# Altium PCB Pleiades_PP.PcbDoc (part 9 of 15)
Units mil, origin at the board's own origin, x right, y up, seen from the top; angles counter-clockwise.
Board outline 12244.09 x 4515.28 mil, 12 copper layers (TOP, GND1, IN1, GND2, POW1, GND3, POW2, GND4, GND5, IN2, GND6, BOT), stack 63.546 mil thick; 1447 components, 738 nets, 4532 pads, 3316 vias.
Unrouted connection lines stored in the file: 499.
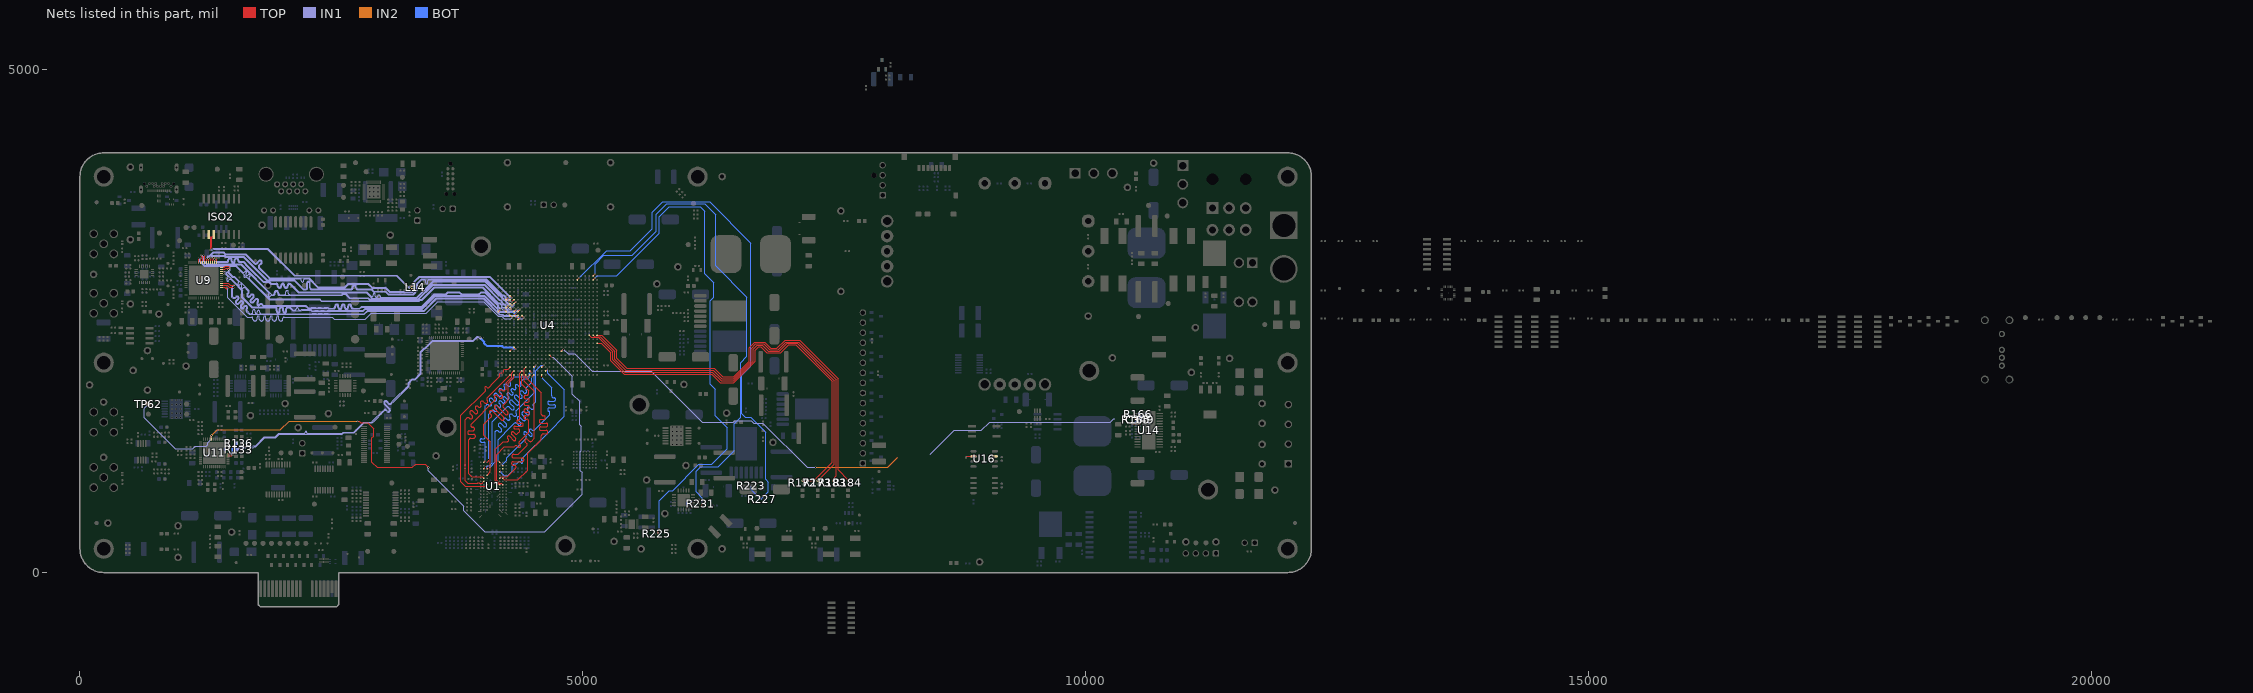
[diagram p19: the nets of this part, all layers, seen from the top]

## Via types
v1: diameter 12/18/18/18/18/18/18/18/18/18/18/12 (per signal layer), hole 6, TOP to BOT, 2739 vias
v2: diameter 20, hole 10, TOP to BOT, 363 vias
v3: diameter 19.68, hole 7.87, TOP to BOT, 110 vias
v4: diameter 40, hole 20, TOP to BOT, 36 vias
v5: diameter 25, hole 12, TOP to BOT, 32 vias
v6: diameter 22, hole 12, TOP to BOT, 27 vias
v7: diameter 19.68, hole 11.81, TOP to BOT, 9 vias

## Nets (pads, with @x,y where several pads share a name; then routed paths per layer and width w, separated by ;. In a path a pad name is that pad's centre, name@x,y a point inside that pad or via, vN(x,y) a via of type N, cw(c..) or ccw(c..) an arc to the next point about the centre after c; other vN are vias at no path point) (continued)
DA10_P: U4.D16 U9.53 | length 3631.8
  TOP w6: U9.53@1406.18,2836.1 1440.44,2836.1 1454.51,2822.04 1459.48,2822.04 1463.95,2826.52 1463.95,2835.73 v1(1462.84,2836.84)
  TOP w8.89: U4.D16@4275.59,2555.12 v1(4295.28,2535.43)
  IN1 w3.09: v1(1462.84,2836.84) 1471.29,2828.39 1471.29,2731 1662.34,2539.96 1669.74,2539.96 1708.02,2539.96 cw(c1708.02,2528.41) 1719.57,2528.41 1719.57,2520.6 ccw(c1740.21,2520.6) 1740.21,2499.96 ccw(c1740.21,2520.6) 1760.85,2520.6 1760.85,2539.17 cw(c1772.4,2539.17) 1772.4,2550.72 cw(c1772.4,2539.17) 1783.95,2539.17 1783.95,2520.6 ccw(c1804.59,2520.6) 1804.59,2499.96 ccw(c1804.59,2520.6) 1825.23,2520.6 1825.23,2539.17 cw(c1836.78,2539.17) 1836.78,2550.72 cw(c1836.78,2539.17) 1848.32,2539.17 1848.32,2520.6 ccw(c1868.97,2520.6) 1868.97,2499.96 ccw(c1868.97,2520.6) 1889.61,2520.6 1889.61,2539.17 cw(c1901.15,2539.17) 1901.15,2550.72 cw(c1901.15,2539.17) 1912.7,2539.17 1912.7,2520.6 ccw(c1933.34,2520.6) 1933.34,2499.96 ccw(c1933.34,2520.6) 1953.99,2520.6 1953.99,2539.17 cw(c1965.53,2539.17) 1965.53,2550.72 cw(c1965.53,2539.17) 1977.08,2539.17 1977.08,2520.6 ccw(c1997.72,2520.6) 1997.72,2499.96 ccw(c1997.72,2520.6) 2018.36,2520.6 2018.36,2528.41 cw(c2029.91,2528.41) 2029.91,2539.96 2185,2539.96 2307.18,2539.96 2311.37,2535.77 2336.24,2535.77 2340.43,2539.96 2367.82,2539.96 2372,2535.77 2397.5,2535.77 2401.69,2539.96 2430.34,2539.96 2434.53,2535.77 2464.1,2535.77 2468.29,2539.96 2506.02,2539.96 2525.98,2520 2835,2520 2895,2580 3445,2580 3558.57,2693.57 4012.91,2693.57 4160.39,2546.09 4194.14,2546.09 4218.43,2521.8 4281.64,2521.8 v1(4295.28,2535.43)
DA12_N: U4.F15 U9.54 | length 3652.6
  TOP w6: U9.54@1406.18,2855.79 1406.97,2855 1465.9,2855 1486.05,2834.85 1523.31,2834.85 1523.87,2834.29 1528.11,2834.29 v1(1529.26,2833.15)
  TOP w8.89: U4.F15@4354.33,2515.75 v1(4374.02,2535.43)
  IN1 w3.09: v1(1529.26,2833.15) 1526.81,2833.15 1519.67,2826.01 1519.67,2764.05 1519.67,2742.52 1524.6,2737.59 ccw(c1532.76,2745.76) 1540.92,2737.6 1546.45,2743.12 cw(c1561.04,2728.52) 1575.64,2743.12 cw(c1561.04,2728.52) 1575.64,2713.93 ; 1575.62,2713.91 1557.34,2695.63 ccw(c1565.5,2687.46) 1557.34,2679.3 ccw(c1565.5,2687.46) 1573.64,2679.27 1591.54,2697.17 cw(c1606.14,2682.58) 1620.73,2697.17 cw(c1606.14,2682.58) 1620.73,2667.98 1604.26,2651.5 ccw(c1612.42,2643.34) 1604.26,2635.17 ccw(c1612.42,2643.34) 1620.59,2635.17 1631.97,2646.55 cw(c1646.56,2631.96) 1661.16,2646.55 cw(c1646.56,2631.96) 1661.16,2617.36 ccw(c1669.32,2609.2) 1661.16,2601.03 1687.19,2575 1704.38,2575 1705.93,2575 ccw(c1705.93,2586.55) 1717.48,2586.55 1717.48,2603.45 cw(c1729.03,2603.45) 1729.03,2615 cw(c1729.03,2603.45) 1740.57,2603.45 1740.57,2586.55 ccw(c1752.12,2586.55) 1752.12,2575 ccw(c1752.12,2586.55) 1763.67,2586.55 1763.67,2594.77 cw(c1775.21,2594.77) 1775.21,2606.31 cw(c1775.21,2594.77) 1786.76,2594.77 1786.76,2586.55 ccw(c1798.31,2586.55) 1798.31,2575 1840,2575 2084.26,2575 2084.39,2574.86 2309.56,2574.86 2313.75,2579.05 2344.1,2579.05 2348.29,2574.86 2369.38,2574.86 2373.57,2579.05 2403.76,2579.05 2407.95,2574.86 2428.08,2574.86 2432.27,2579.05 2461.16,2579.05 2465.35,2574.86 2824.86,2574.86 2858.74,2608.74 3420.88,2608.74 3542.14,2730 4013.39,2730 4173.01,2570.38 4204.19,2570.38 4215.48,2559.09 4338.76,2559.09 4366.96,2530.89 4372.37,2530.89 4374.18,2532.71 4374.18,2535.27 v1(4374.02,2535.43)
DA12_P: U4.G16 U9.55 | length 3636.7
  TOP w6: U9.55@1406.18,2875.47 1474.38,2875.47 1494.53,2855.33 1525.92,2855.33 1526.45,2855.86 1530.69,2855.86 v1(1531.84,2857.01)
  TOP w8.89: U4.G16@4393.7,2555.12 v1(4413.39,2535.43)
  IN1 w3.09: v1(1531.84,2857.01) 1529.89,2857.01 1522.58,2849.69 1522.4,2849.69 1510.58,2837.87 1510.58,2754.96 1510.58,2738.75 1518.14,2731.19 ccw(c1532.76,2745.76) 1547.35,2731.17 1552.88,2736.69 cw(c1561.04,2728.52) 1569.21,2736.69 cw(c1561.04,2728.52) 1569.24,2720.39 1550.91,2702.06 ccw(c1565.5,2687.46) 1550.91,2672.87 ccw(c1565.5,2687.46) 1580.1,2672.87 ; 1580.12,2672.89 1597.97,2690.74 cw(c1606.14,2682.58) 1614.3,2690.74 cw(c1606.14,2682.58) 1614.3,2674.41 1597.82,2657.93 ccw(c1612.42,2643.34) 1597.82,2628.74 ccw(c1612.42,2643.34) 1627.02,2628.74 1638.4,2640.12 cw(c1646.56,2631.96) 1654.73,2640.12 cw(c1646.56,2631.96) 1654.73,2623.79 ccw(c1669.32,2609.2) 1654.73,2594.6 1683.42,2565.91 1695.29,2565.91 2080.49,2565.91 2080.63,2565.77 2313.32,2565.77 2317.51,2569.96 2340.34,2569.96 2344.53,2565.77 2373.15,2565.77 2377.34,2569.96 2399.99,2569.96 2404.18,2565.77 2431.85,2565.77 2436.04,2569.96 2457.39,2569.96 2461.58,2565.77 2828.63,2565.77 2862.51,2599.65 3424.65,2599.65 3545.91,2720.91 4009.62,2720.91 4169.24,2561.28 4200.43,2561.28 4211.71,2550 4334.99,2550 4363.2,2521.8 4399.75,2521.8 v1(4413.39,2535.43)
DAC_SCLK: TP62.1 U4.P6 U11.32 | length 7251.9
  TOP w5: v1(2760,1505) 2775,1505 2790,1490 2860,1490 2919,1431 2919,1354 2903,1338 2903,1097 2955,1045 3305,1045 3337.5,1077.5 3431.99,1077.5 3464.49,1045 v1(3465,1045)
  TOP w8.89: U4.P6@4669.29,2161.42 v1(4688.98,2141.73)
  TOP w10: U11.32@1305.28,1327.01 1305.47,1327.2 1305.47,1359.56 1306.63,1360.72 v1(1306.63,1361.26)
  IN1 w5: v1(3465,1045) 3465,1010 3596.83,878.17 3596.83,877.74 3603.57,871 3604,871 3816,659 3816,612.74 4023.74,405 4620,405 4993.25,778.25 4993.25,995.48 4976.26,1012.48 4976.26,1202.37 4983.51,1209.62 4983.51,1452.49 4968.5,1467.5 4968.5,1701.5 4895,1775 4895,1951.97 4705.24,2141.73 v1(4688.98,2141.73)
  IN1 w10: v1(680,1675) 640,1635 640,1537 947,1230 1120,1230 1145,1255 1255,1255 1270,1270 1270,1290 1306.63,1326.63 v1(1306.63,1361.26)
  IN2 w5: v1(1306.63,1361.26) 1363.04,1417.67 1992.67,1417.67 2080,1505 v1(2760,1505)
DB0_N: U4.E16 U9.60 | length 3556.5
  TOP w6: U9.60@1406.18,2973.9 1406.77,2973.31 1428.55,2973.31 v1(1429.68,2972.18)
  TOP w8.89: U4.E16@4314.96,2555.12 v1(4334.65,2574.8)
  IN1 w3.09: v1(1429.68,2972.18) 1433.71,2972.18 1438.85,2977.32 1441.94,2977.32 1443.75,2975.51 1443.75,2968.5 1452.38,2959.88 1469.8,2942.45 cw(c1461.63,2934.29) 1469.8,2926.12 1460.63,2916.95 ccw(c1468.79,2908.78) 1460.63,2900.62 ; 1460.63,2900.62 ccw(c1468.79,2908.78) 1476.96,2900.62 1486.13,2909.79 cw(c1494.3,2901.62) 1502.46,2909.79 1526.88,2885.37 1610,2802.25 1610,2731.23 1708.15,2633.08 1905,2633.08 1939.27,2633.08 cw(c1939.27,2621.53) 1950.82,2621.53 1950.82,2602.83 ccw(c1971.46,2602.83) 1971.46,2582.19 ccw(c1971.46,2602.83) 1992.1,2602.83 1992.1,2623.26 cw(c2003.65,2623.26) 2003.65,2634.81 cw(c2003.65,2623.26) 2015.2,2623.26 2015.2,2602.83 ccw(c2035.84,2602.83) 2035.84,2582.19 ccw(c2035.84,2602.83) 2056.48,2602.83 2056.48,2621.53 cw(c2068.03,2621.53) 2068.03,2633.08 2074.12,2633.08 2082.86,2633.08 2115.04,2600.91 2199.43,2600.91 2208.53,2610 2288.65,2610 2302.88,2595.77 2339.06,2595.77 2343.25,2599.96 2361.21,2599.96 2365.4,2595.77 2400.32,2595.77 2404.51,2599.96 2421.84,2599.96 2426.03,2595.77 2464.1,2595.77 2468.29,2599.96 2817.82,2599.96 2837.86,2620 3405,2620 3530.91,2745.91 4017.66,2745.91 4151.52,2612.04 4151.52,2603.55 4166.54,2588.53 4227.16,2588.53 4228.62,2590 4239.92,2590 4250.52,2579.4 4250.52,2576.83 4248.5,2574.8 v1(4243.12,2574.8)
  BOT w4.33: v1(4243.12,2574.8) 4266.61,2598.29 4305.01,2598.29 4327.07,2576.23 4333.22,2576.23 v1(4334.65,2574.8)
DB0_P: U4.F16 U9.61 | length 3552.9
  TOP w6: U9.61@1406.18,2993.58 1406.77,2994.17 1425.49,2994.17 1427.51,2996.18 v1(1429.13,2996.18)
  TOP w8.89: v1(4334.65,2535.43) U4.F16@4354.33,2555.12
  IN1 w3.09: v1(1429.13,2996.18) 1433.16,2996.18 1438.3,2991.04 1447.62,2991.04 1457.48,2981.19 1457.48,2974.18 1454.2,2970.91 1619.09,2806.02 1619.09,2735 1711.92,2642.18 1905,2642.18 1939.27,2642.18 cw(c1939.27,2621.53) 1959.92,2621.53 1959.92,2602.83 ccw(c1971.46,2602.83) 1971.46,2591.28 ccw(c1971.46,2602.83) 1983.01,2602.83 1983.01,2623.26 cw(c2003.65,2623.26) 2003.65,2643.91 cw(c2003.65,2623.26) 2024.29,2623.26 2024.29,2602.83 ccw(c2035.84,2602.83) 2035.84,2591.28 ccw(c2035.84,2602.83) 2047.39,2602.83 2047.39,2621.53 cw(c2068.03,2621.53) 2068.03,2642.18 2074.12,2642.18 2086.63,2642.18 2118.8,2610 2135,2610 2136.55,2610 ccw(c2136.55,2621.55) 2148.1,2621.55 2148.09,2621.65 cw(c2159.64,2621.65) 2159.64,2633.2 cw(c2159.64,2621.65) 2171.19,2621.65 2171.19,2621.55 ccw(c2182.74,2621.55) 2182.74,2610 2195.66,2610 2204.76,2619.09 2208.53,2619.09 2292.41,2619.09 2306.64,2604.86 2335.29,2604.86 2339.48,2609.05 2364.98,2609.05 2369.17,2604.86 2396.55,2604.86 2400.74,2609.05 2425.61,2609.05 2429.8,2604.86 2460.34,2604.86 2464.53,2609.05 2814.05,2609.05 2834.09,2629.09 3401.23,2629.09 3527.14,2755 4021.42,2755 4160.62,2615.8 4160.62,2607.32 4170.31,2597.63 4223.39,2597.63 4224.86,2599.09 4243.69,2599.09 4259.62,2583.16 4259.62,2576.83 4261.43,2575.02 v1(4267.12,2575.02)
  BOT w4.33: v1(4267.12,2575.02) 4268.58,2576.49 4268.58,2580.02 4277.53,2588.97 4301.14,2588.97 4320.48,2569.63 4320.48,2568.94 4328.78,2560.64 4334.65,2554.77 v1(4334.65,2535.43)
DB2_N: U4.A17 U9.62 | length 3635.4
  TOP w6: U9.62@1406.18,3013.27 1440.74,3013.27 1452.87,3025.39 1467.74,3025.39 1473.84,3019.3 1473.84,3017.89 1476.84,3014.89 v1(1476.84,3013.27)
  TOP w8.89: U4.A17@4157.48,2594.49 v1(4177.17,2614.17)
  IN1 w3.09: v1(1476.84,3013.27) 1478.32,3011.78 1478.32,3001.44 1469.6,2992.72 1469.6,2982.62 1514.18,2938.05 1531.95,2938.05 1550,2920 1574.49,2895.51 cw(c1566.32,2887.35) 1574.49,2879.18 1572.68,2877.38 ccw(c1580.85,2869.21) 1572.68,2861.05 ccw(c1580.85,2869.21) 1589.01,2861.05 1590.82,2862.85 cw(c1598.98,2854.69) 1607.15,2862.85 cw(c1598.98,2854.69) 1607.15,2846.52 1605.34,2844.72 ccw(c1613.51,2836.55) 1605.34,2828.39 ccw(c1613.51,2836.55) 1621.67,2828.39 1623.48,2830.19 cw(c1631.64,2822.03) 1639.81,2830.19 1640.9,2829.1 1646.83,2823.17 1671.62,2798.38 cw(c1663.46,2790.21) 1671.62,2782.05 1662.81,2773.23 ccw(c1677.41,2758.64) 1662.81,2744.04 ccw(c1677.41,2758.64) 1692,2744.04 1704.27,2756.31 cw(c1712.43,2748.14) 1720.6,2756.31 cw(c1712.43,2748.14) 1720.63,2740.01 1696.13,2715.51 ccw(c1710.73,2700.91) 1696.13,2686.32 ccw(c1710.73,2700.91) 1725.32,2686.32 ; 1725.34,2686.34 1749.79,2710.78 cw(c1757.96,2702.62) 1766.15,2694.48 1761.84,2690.17 ccw(c1776.44,2675.58) 1761.84,2660.98 ccw(c1776.44,2675.58) 1791.03,2660.98 1791.86,2661.81 cw(c1800.03,2653.64) 1808.19,2661.81 1812.5,2657.5 1820,2650 2240,2650 2264.23,2625.77 2302.46,2625.77 2306.64,2629.96 2333.73,2629.96 2337.92,2625.77 2371.58,2625.77 2375.77,2629.96 2392.47,2629.96 2396.66,2625.77 2430.95,2625.77 2435.14,2629.96 2460.34,2629.96 2469.39,2620.91 2515,2620.91 2521.09,2620.91 ccw(c2521.09,2641.55) 2541.74,2641.55 2541.74,2649.17 cw(c2553.28,2649.17) 2553.28,2660.72 cw(c2553.28,2649.17) 2564.83,2649.17 2564.83,2635.79 ccw(c2585.47,2635.79) 2585.47,2615.15 ccw(c2585.47,2635.79) 2606.11,2635.79 2606.11,2649.17 cw(c2617.66,2649.17) 2617.66,2660.72 cw(c2617.66,2649.17) 2629.21,2649.17 2629.21,2635.79 ccw(c2649.85,2635.79) 2649.85,2615.15 ccw(c2649.85,2635.79) 2670.49,2635.79 2670.49,2649.17 cw(c2682.04,2649.17) 2682.04,2660.72 cw(c2682.04,2649.17) 2693.59,2649.17 2693.59,2641.55 ccw(c2714.23,2641.55) 2714.23,2620.91 2773.75,2620.91 2783.77,2620.91 2802.86,2640 3403.52,2640 3524.61,2761.09 3639.31,2761.09 3661.26,2783.05 3769.37,2783.05 3791.32,2761.09 3970.03,2761.09 3991.98,2783.05 4023.21,2783.05 4155.91,2650.35 4155.91,2637.49 4177.17,2616.23 v1(4177.17,2614.17)
DB2_P: U4.C17 U9.63 | length 3635.4
  TOP w6: U9.63@1406.18,3032.95 1432.59,3032.95 1444.71,3045.07 1475.9,3045.07 1488.61,3032.36 1490.02,3032.36 1493.02,3029.36 v1(1494.64,3029.36)
  TOP w8.89: v1(4216.54,2614.17) U4.C17@4236.22,2594.49
  IN1 w3.09: v1(1494.64,3029.36) 1494.64,3004.9 1478.69,2988.95 1478.69,2986.39 1517.94,2947.14 1535.72,2947.14 1653.26,2829.6 1678.06,2804.81 cw(c1663.46,2790.21) 1678.06,2775.61 1669.24,2766.8 ccw(c1677.41,2758.64) 1669.24,2750.47 ccw(c1677.41,2758.64) 1685.54,2750.44 1697.84,2762.74 cw(c1712.43,2748.14) 1727.03,2762.74 cw(c1712.43,2748.14) 1727.03,2733.55 ; 1727.01,2733.53 1702.56,2709.08 ccw(c1710.73,2700.91) 1702.56,2692.75 ccw(c1710.73,2700.91) 1718.86,2692.72 1743.36,2717.22 cw(c1757.96,2702.62) 1771.09,2718.55 1771.22,2718.55 1773.88,2715.88 1773.88,2715.75 cw(c1757.96,2702.62) 1772.55,2688.02 ; 1772.53,2688 1768.27,2683.74 ccw(c1776.44,2675.58) 1768.27,2667.41 ccw(c1776.44,2675.58) 1784.57,2667.38 1785.43,2668.24 cw(c1800.03,2653.64) 1814.62,2668.24 1818.93,2663.93 1823.77,2659.09 2243.77,2659.09 2268,2634.86 2298.69,2634.86 2302.88,2639.05 2337.5,2639.05 2341.69,2634.86 2367.82,2634.86 2372,2639.05 2396.24,2639.05 2400.43,2634.86 2427.19,2634.86 2431.37,2639.05 2464.1,2639.05 2473.16,2630 2515,2630 2521.09,2630 ccw(c2521.09,2641.55) 2532.64,2641.55 2532.64,2649.17 cw(c2553.28,2649.17) 2553.28,2669.81 cw(c2553.28,2649.17) 2573.93,2649.17 2573.93,2635.79 ccw(c2585.47,2635.79) 2585.47,2624.24 ccw(c2585.47,2635.79) 2597.02,2635.79 2597.02,2649.17 cw(c2617.66,2649.17) 2617.66,2669.81 cw(c2617.66,2649.17) 2638.3,2649.17 2638.3,2635.79 ccw(c2649.85,2635.79) 2649.85,2624.24 ccw(c2649.85,2635.79) 2661.4,2635.79 2661.4,2649.17 cw(c2682.04,2649.17) 2682.04,2669.81 cw(c2682.04,2649.17) 2702.68,2649.17 2702.68,2641.55 ccw(c2714.23,2641.55) 2714.23,2630 2773.75,2630 2780,2630 2799.09,2649.09 3399.75,2649.09 3520.85,2770.19 3635.54,2770.19 3657.49,2792.14 3773.14,2792.14 3795.09,2770.19 3966.26,2770.19 3988.22,2792.14 4026.97,2792.14 4165,2654.12 4165,2641.25 4175.53,2630.72 4184.88,2630.72 4201.43,2614.17 v1(4216.54,2614.17)
DB4_N: U4.D19 U9.2 | length 3652
  TOP w6: U9.2@1357.95,3081.18 v1(1358.02,3126.73) v1(1358.02,3126.73)
  TOP w8.89: U4.D19@4275.59,2673.23 4277.98,2673.23 4290.61,2660.59 4294.41,2660.59 v1(4295,2660)
  IN1 w3.09: v1(1358.02,3126.73) 1358.02,3107.28 1352.66,3101.92 1352.66,3098.3 1358.3,3092.66 1453.78,3092.66 1459.88,3092.66 ccw(c1459.88,3104.21) 1471.43,3104.21 1471.43,3109.06 cw(c1492.07,3109.06) 1492.07,3129.7 cw(c1492.07,3109.06) 1512.71,3109.06 1512.71,3096.93 ccw(c1524.26,3096.93) 1524.26,3085.38 ccw(c1524.26,3096.93) 1535.8,3096.93 1535.8,3109.06 cw(c1556.45,3109.06) 1556.45,3129.7 cw(c1556.45,3109.06) 1577.09,3109.06 1577.09,3104.21 ccw(c1588.63,3104.21) 1588.63,3092.66 1626.43,3092.66 1670,3049.09 1823.83,2895.26 1880.43,2895.26 1901.24,2874.45 1925,2874.45 1951.93,2874.45 cw(c1951.93,2853.81) 1972.57,2853.81 1972.57,2847.06 ccw(c1984.12,2847.06) 1984.12,2835.51 ccw(c1984.12,2847.06) 1995.67,2847.06 1995.67,2853.81 cw(c2016.31,2853.81) 2016.31,2874.45 cw(c2016.31,2853.81) 2036.95,2853.81 2036.95,2846 ccw(c2048.5,2846) 2048.5,2834.45 ccw(c2048.5,2846) 2060.04,2846 2060.04,2853.81 cw(c2080.69,2853.81) 2080.69,2874.45 2086.78,2874.45 2090.55,2874.45 2175,2790 2850,2790 2889.9,2750.1 2894.83,2745.17 ccw(c2903,2753.33) 2914.55,2753.33 2914.55,2763.45 cw(c2926.09,2763.45) 2926.09,2775 cw(c2926.09,2763.45) 2937.64,2763.45 2937.64,2746.55 ccw(c2949.19,2746.55) 2949.19,2735 ccw(c2949.19,2746.55) 2960.73,2746.55 2960.73,2747.11 cw(c2972.28,2747.11) 2972.28,2758.66 cw(c2972.28,2747.11) 2983.83,2747.11 2983.83,2746.55 ccw(c2995.38,2746.55) 2995.38,2735 3065,2735 3346.81,2735 3511.45,2899.64 4028.22,2899.64 4167.86,2760 4177.23,2760 4196.81,2740.42 4196.81,2737.1 4219.61,2714.29 4222.94,2714.29 4248.45,2688.77 4248.45,2687.2 4258.31,2677.34 4269.85,2677.34 4276.23,2670.96 4278.79,2670.96 4278.91,2671.07 4283.93,2671.07 v1(4295,2660)
DB4_P: U4.E19 U9.3 | length 3636.2
  TOP w6: U9.3@1338.27,3081.18 v1(1338.27,3110.93)
  TOP w8.89: U4.E19@4314.96,2673.23 v1(4334.65,2692.91)
  IN1 w3.09: v1(1338.27,3110.93) 1340.81,3108.39 1340.81,3097.29 1354.53,3083.57 1453.78,3083.57 1459.88,3083.57 ccw(c1459.88,3104.21) 1480.52,3104.21 1480.52,3109.06 cw(c1492.07,3109.06) 1492.07,3120.61 cw(c1492.07,3109.06) 1503.62,3109.06 1503.62,3096.93 ccw(c1524.26,3096.93) 1524.26,3076.28 ccw(c1524.26,3096.93) 1544.9,3096.93 1544.9,3109.06 cw(c1556.45,3109.06) 1556.45,3120.61 cw(c1556.45,3109.06) 1567.99,3109.06 1567.99,3104.21 ccw(c1588.63,3104.21) 1588.63,3083.57 1622.66,3083.57 1664.21,3042.02 1688.57,3017.66 1820.06,2886.17 1876.66,2886.17 1884.58,2878.25 1897.47,2865.36 1925,2865.36 1951.93,2865.36 cw(c1951.93,2853.81) 1963.48,2853.81 1963.48,2847.06 ccw(c1984.12,2847.06) 1984.12,2826.41 ccw(c1984.12,2847.06) 2004.76,2847.06 2004.76,2853.81 cw(c2016.31,2853.81) 2016.31,2865.36 cw(c2016.31,2853.81) 2027.85,2853.81 2027.85,2846 ccw(c2048.5,2846) 2048.5,2825.36 ccw(c2048.5,2846) 2069.14,2846 2069.14,2853.81 cw(c2080.69,2853.81) 2080.69,2865.36 2086.78,2865.36 2171.23,2780.91 2846.23,2780.91 2901.23,2725.91 3350.58,2725.91 3515.22,2890.55 4024.45,2890.55 4164.09,2750.91 4173.46,2750.91 4187.71,2736.65 4187.71,2733.33 4215.84,2705.2 4219.17,2705.2 4239.36,2685.01 4239.36,2683.43 4254.54,2668.25 4266.08,2668.25 4273.58,2660.74 4273.58,2656.42 4286.55,2643.45 4301.85,2643.45 4316.82,2658.42 4316.82,2675.09 v1(4334.65,2692.91)
DB6_N: U4.D20 U9.4 | length 3639.2
  TOP w6: U9.4@1318.58,3081.18 1318.58,3107.29 1322.94,3111.65 1322.94,3126.63 1326.57,3130.26 v1(1326.57,3131.89)
  TOP w8.89: v1(4265,2694.05) 4265.59,2694.64 4265.59,2700.21 4275.59,2710.21 U4.D20@4275.59,2712.6
  IN1 w3.09: v1(1326.57,3131.89) 1326.57,3133.01 1318.77,3140.81 1318.77,3143.38 1320.92,3145.53 1435.21,3145.53 1444.94,3135.8 1624.2,3135.8 1858.64,2901.36 2128.64,2901.36 2217.78,2812.22 2240,2812.22 2246.09,2812.22 ccw(c2246.09,2830.36) 2264.24,2830.36 2264.24,2879.48 cw(c2273.28,2879.48) 2273.28,2888.52 cw(c2273.28,2879.48) 2282.33,2879.48 2282.33,2830.36 ccw(c2300.47,2830.36) 2300.47,2812.22 2349.34,2812.22 2690,2812.22 2696.09,2812.22 ccw(c2696.09,2832.86) 2716.74,2832.86 2716.74,2840.67 cw(c2728.28,2840.67) 2728.28,2852.22 cw(c2728.28,2840.67) 2739.83,2840.67 2739.83,2832.86 ccw(c2760.47,2832.86) 2760.47,2812.22 2845,2812.22 2895,2812.22 2917.22,2790 3037.14,2790 3063.71,2763.43 3317.57,2763.43 3359.45,2805.31 3359.45,2869.37 3400.16,2910.08 3400.99,2910.91 3424.81,2910.91 cw(c3424.81,2899.36) 3436.35,2899.36 3436.35,2882.45 ccw(c3447.9,2882.45) 3447.9,2870.91 ccw(c3447.9,2882.45) 3459.45,2882.45 3459.45,2899.36 cw(c3470.99,2899.36) 3470.99,2910.91 3515,2910.91 4036.23,2910.91 4195.13,2752.01 4211.72,2752.01 4228.8,2734.93 4228.8,2723.12 4245.28,2706.64 4260.86,2706.64 4262.68,2704.83 4262.68,2696.37 v1(4265,2694.05)
DB6_P: U4.E20 U9.5 | length 3626.9
  TOP w6: U9.5@1298.9,3081.18 1298.9,3115.44 1303.26,3119.8 1303.26,3129.02 v1(1302.68,3129.59)
  TOP w8.89: v1(4295.28,2692.91) U4.E20@4314.96,2712.6
  IN1 w3.09: v1(1302.68,3129.59) 1302.68,3131.87 1309.68,3138.86 1309.68,3147.15 1317.15,3154.62 1438.98,3154.62 1448.71,3144.89 1627.97,3144.89 1633.93,3138.93 1681.43,3091.43 1862.41,2910.45 2132.41,2910.45 2221.55,2821.31 2240,2821.31 2246.09,2821.31 ccw(c2246.09,2830.36) 2255.14,2830.36 2255.14,2879.48 cw(c2273.28,2879.48) 2273.28,2897.62 cw(c2273.28,2879.48) 2291.43,2879.48 2291.43,2830.36 ccw(c2300.47,2830.36) 2300.47,2821.31 2349.34,2821.31 2690,2821.31 2696.09,2821.31 ccw(c2696.09,2832.86) 2707.64,2832.86 2707.64,2840.67 cw(c2728.28,2840.67) 2728.28,2861.31 cw(c2728.28,2840.67) 2748.93,2840.67 2748.93,2832.86 ccw(c2760.47,2832.86) 2760.47,2821.31 2845,2821.31 2898.77,2821.31 2920.99,2799.09 3040.91,2799.09 3067.48,2772.52 3313.81,2772.52 3350.36,2809.07 3350.36,2873.14 3397.22,2920 4040,2920 4198.89,2761.11 4215.49,2761.11 4237.9,2738.7 4237.9,2726.89 4249.05,2715.74 4266.72,2715.74 4285.21,2697.24 4286.92,2697.24 4291.24,2692.91 v1(4295.28,2692.91)
DB8_N: U4.C20 U9.6 | length 3651.3
  TOP w6: v1(1278.67,3121.02) 1279.21,3120.47 U9.6@1279.21,3081.18
  TOP w8.89: U4.C20@4236.22,2712.6 v1(4255.91,2732.28)
  IN1 w3.09: v1(1278.67,3121.02) 1278.67,3125.05 1272.11,3131.61 1272.11,3137.3 1273.92,3139.11 1288.8,3139.11 1327.73,3178.05 1424.18,3178.05 1442.22,3160 1645,3160 1728.54,3076.46 1731.52,3073.48 1732.83,3072.17 ccw(c1747.44,3086.75) 1762.04,3072.15 1783.35,3093.46 cw(c1791.52,3085.3) 1799.68,3093.46 cw(c1791.52,3085.3) 1799.68,3077.13 1778.37,3055.82 ccw(c1792.97,3041.23) 1778.39,3026.61 1876.32,2928.68 1879.3,2925.7 1884.09,2920.91 2165,2920.91 2189.64,2920.91 cw(c2189.64,2909.36) 2201.19,2909.36 2201.19,2899.03 ccw(c2212.74,2899.03) 2212.74,2887.49 ccw(c2212.74,2899.03) 2224.28,2899.03 2224.28,2909.36 cw(c2235.83,2909.36) 2235.83,2920.91 2262.05,2920.91 2274.09,2920.91 2362.66,2832.34 2635.2,2832.34 2671.43,2868.57 2861.43,2868.57 2904.45,2825.55 3036.59,2825.55 3076.78,2785.36 3308.14,2785.36 3334.09,2811.32 3334.09,2894.09 3375.91,2935.91 4071.8,2935.91 4271.04,2736.66 4271.04,2734.1 4269.23,2732.28 v1(4255.91,2732.28)
DB8_P: U4.D21 U9.7 | length 3636.6
  TOP w6: v1(1255,3125) 1255,3123.38 1258.98,3119.39 1258.98,3107.84 1259.53,3107.29 U9.7@1259.53,3081.18
  TOP w8.89: U4.D21@4275.59,2751.97 v1(4295.28,2732.28)
  IN1 w3.09: v1(1255,3125) 1255,3125.7 1263.01,3133.71 1263.01,3141.07 1270.15,3148.21 1285.03,3148.21 1323.97,3187.14 1427.94,3187.14 1445.99,3169.09 1648.77,3169.09 1734.97,3082.89 1737.95,3079.91 1739.29,3078.58 ccw(c1747.44,3086.75) 1755.61,3078.58 1776.92,3099.89 cw(c1791.52,3085.3) 1806.11,3099.89 cw(c1791.52,3085.3) 1806.11,3070.7 1784.8,3049.39 ccw(c1792.97,3041.23) 1784.79,3033.07 1882.75,2935.11 1885.73,2932.13 1887.86,2930 2277.86,2930 2366.43,2841.43 2631.43,2841.43 2667.66,2877.66 2865.2,2877.66 2886.43,2856.43 2908.22,2834.64 3040.36,2834.64 3080.55,2794.45 3304.37,2794.45 3325,2815.08 3325,2897.86 3372.14,2945 4075.56,2945 4280.14,2740.43 4280.14,2734.1 4281.95,2732.28 v1(4295.28,2732.28)
DB10_N: U4.C18 U9.8 | length 3636.3
  TOP w6: v1(1228,3155) 1229.15,3153.85 1229.15,3149.22 1239.84,3138.52 U9.8@1239.84,3081.18